# Altium PCB S7CAS-PLEIADES-CARTE-MERE_Pxx.PcbDoc (part 3 of 8) (continued)
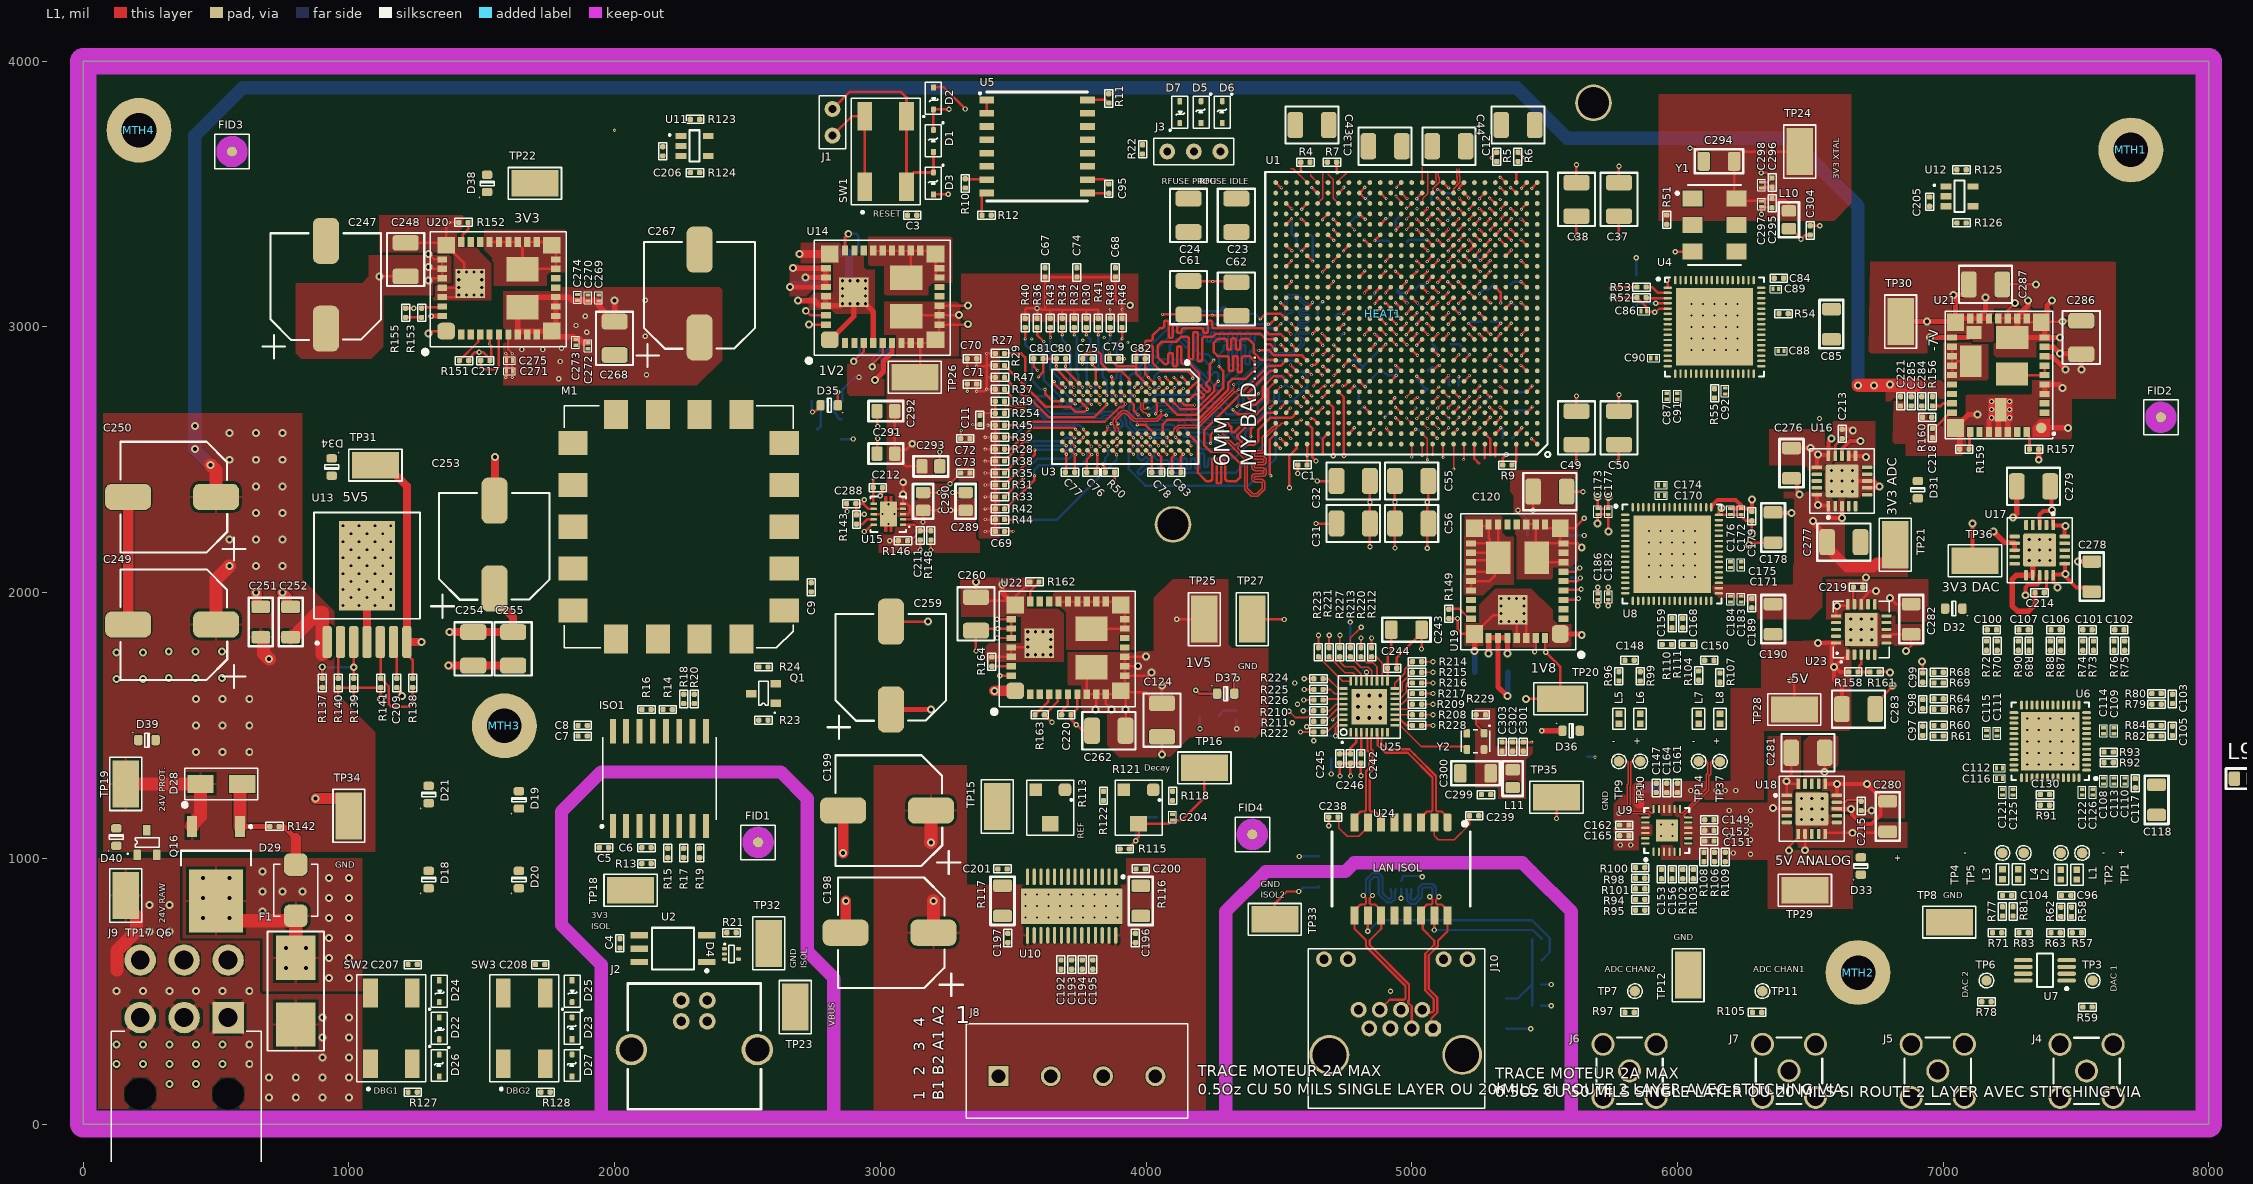
[diagram p0: L1 view]
## Nets (pads, with @x,y where several pads share a name; then routed paths per layer and width w, separated by ;. In a path a pad name is that pad's centre, name@x,y a point inside that pad or via, vN(x,y) a via of type N, cw(c..) or ccw(c..) an arc to the next point about the centre after c; other vN are vias at no path point) (continued)
  L14 w9.39: R242.2@2857.5,2720 2857.5,2764.63 2902.87,2810 v3(2920,2810) ; v1(4860.02,2973.02) 4860.52,2972.52 4866.48,2972.52 C30.2@4881.88,2957.12 4863.28,2938.52 4863.28,2935.74 v1(4862.78,2935.24) v1@4862.28,2934.74 ; v1(4861.61,3088.37) 4862.11,3088.87 4862.11,3090.46 C27.2@4881.88,3110.23 ; v1(4900.64,3090.27) 4901.14,3089.77 4902.73,3089.77 C28.2@4922.5,3070 ; v1(4979.72,3127.74) 4958.76,3127.74 C25.2@4946.5,3140 4946.5,3132.56 4981.98,3097.08 4981.98,3090.46 v1(4982.48,3089.96) ; v1(5019.09,3009.63) 5019.59,3010.13 5019.59,3016.09 C29.2@5039.36,3035.86 ; C26.2@5079.5,2934 5094.29,2919.21 5094.29,2900.11 5100.59,2893.82 v1(5100.59,2893.11)
1V5_DIGITAL: C61.2 C62.2 C63.2 C65.2 C66.2 C76.2 C77.2 C78.2 C79.2 C80.2 C81.2 C82.2 C83.2 C124.2 C262.2 C289.2 C290.2 R146.2 R244.2 TP25.1 U1.D25 U1.F23 U1.H25 U1.J21 U1.K23 U1.M25 U3.A1 U3.A8 U3.B2 U3.C1 U3.C9 U3.D2 U3.D9 U3.E9 U3.F1 U3.G7 U3.H2 U3.H9 U3.K2 U3.K8 U3.N1 U3.N9 U3.R1 U3.R9 U15.2 U22.8 U22.9 U22.10 U22.11 U22.12 U22.13 U22.14 U22.36 U22.38 | length 8244.6
  L1 w9.39: U1.D25@4527.55,2678.52 4543.03,2694 v1(4543.03,2694.71) ; U1.M25@4527.55,2991.66 4545.63,2973.58 v1(4545.63,2973.11) ; U1.F23@4606.29,2755.9 4607.65,2755.9 4623.13,2740.42 v1(4623.84,2740.42) ; U1.J21@4685.03,2874.01 4685.5,2874.01 4703.58,2892.09 v1(4704.04,2892.09)
  L1 w9.44: v3(3035,2195) R146.2@3067.5,2195 ; U15.2@3085.59,2275.51 3120.89,2275.51 3154.95,2309.57 C290.2@3160.95,2309.57 ; v3(3160.95,2265.95) C290.2@3160.95,2309.57 ; v3(3224.57,2309.57) C290.2@3160.95,2309.57 ; v3(3264.57,2309.57) C289.2@3320.95,2309.57 ; v3(3450.12,1687.4) U22.36@3492.83,1687.4 ; v1(3595,2812) 3612.5,2829.5 C81.2@3612.5,2880 C80.2@3662.5,2880 v1(3662.5,2852.5) 3662.99,2852.01 3662.99,2840.93 U3.R1@3716.53,2787.4 ; U3.R9@3716.53,2535.43 3719.23,2532.72 3732.23,2519.73 3735.52,2519.73 v1(3736.01,2519.24) 3736.01,2518.54 3731.5,2514.04 C77.2@3731.5,2452.82 ; U3.R1@3716.53,2785.16 3728.37,2773.32 3728.37,2772.37 v1(3728.86,2771.88) ; C76.2@3776.5,2452.82 3777,2453.32 3777,2501.41 v1@3795.27,2519.68 ; U3.N9@3779.52,2535.43 3779.88,2535.43 3795.64,2519.66 v1(3796,2519.66) ; U3.N1@3779.52,2787.4 3779.52,2786.56 3792.89,2773.2 v1(3792.89,2772.51) ; U22.38@3795,1719.29 3777.28,1701.57 U22.8@3777.28,1617.52 U22.9@3812.72,1617.52 ; v2@3812.72,1562.72 U22.9@3812.72,1617.52 ; v1(3862.5,2903.5) C79.2@3862.5,2880 3890.03,2852.47 3962.5,2852.47 ; v2(3870,1560) 3848.15,1581.85 U22.10@3848.15,1617.52 ; U3.K8@3874.01,2566.92 3876.25,2566.92 3889.6,2580.27 3891.21,2580.27 v1(3891.7,2580.76) ; U3.K2@3874.01,2755.9 3874.01,2753.94 3887.36,2740.58 v1(3887.36,2739.89) ; C262.2@3922.99,1480 3922.99,1612.56 U22.11@3909.92,1625.63 ; U3.H9@3937,2535.43 3937.53,2535.43 3952.22,2520.73 v1(3952.75,2520.73) ; U3.H2@3937,2755.9 3939.7,2753.2 3952.37,2740.53 3955.52,2740.53 v1(3956.01,2740.04) ; v1(3962.5,2917.5) C82.2@3962.5,2880 3962.5,2852.47 ; U3.G7@3968.5,2598.42 v1(3984.24,2582.67) ; v2(3970,1722.83) U22.13@3920,1722.83 ; v2(4000,1760) 3998.27,1758.27 U22.14@3920,1758.27 U22.13@3920,1722.83 ; U3.F1@3999.99,2785.16 4014.5,2770.65 4014.5,2769.89 v1(4014.99,2769.4) ; U3.F1@3999.99,2787.4 3962.5,2824.89 3962.5,2852.47 ; v2(4020,1700) 4007.4,1687.4 U22.12@3920,1687.4 ; U3.E9@4031.49,2535.43 4032.02,2535.43 4046.71,2520.73 v1(4047.24,2520.73) 4047.24,2520.04 4056.5,2510.78 C78.2@4056.5,2452.82 ; v2(4060,1650) C124.2@4060,1582.99 4040.31,1582.99 3997.67,1625.63 U22.11@3909.92,1625.63 ; v1(4062.01,3047.01) C61.2@4160,3047.01 4162.5,3044.51 4337.5,3044.51 C62.2@4340,3042.01 ; U3.D9@4062.98,2535.43 4063.25,2535.43 4078.46,2520.22 v1(4078.73,2520.22) ; U3.D2@4062.98,2755.9 4077.6,2770.51 4079.51,2770.51 v1(4080,2771) ; v1(4073,2811) 4073,2810.31 4094.48,2788.83 U3.C1@4094.48,2787.4 ; U3.C9@4094.48,2535.43 4095.01,2535.43 4109.7,2520.73 v1(4110.23,2520.73) 4110.23,2520.04 4096.5,2506.31 C83.2@4096.5,2452.82 ; v3(4116,1900) TP25.1@4220,1900 ; U3.B2@4125.98,2755.9 4127.21,2755.9 4139.31,2768 v1(4140,2768) ; v1(4135,2812) 4135,2811.31 4157.47,2788.83 U3.A1@4157.47,2787.4 ; U3.A8@4157.47,2566.92 4157.47,2565.09 4169.64,2552.93 v1(4169.64,2552.23) ; U1.H25@4527.55,2834.64 4527.55,2834.05 4546,2815.6 v1(4546,2815) ; U22.9@3812.72,1617.52 U22.10@3848.15,1617.52 ; U22.10@3848.15,1617.52 3892.44,1617.52 3900.55,1625.63 U22.11@3909.92,1625.63 ; U22.11@3909.92,1625.63 U22.11@3905.24,1630.31 3920,1645.08 U22.12@3920,1687.4 ; U22.12@3920,1687.4 U22.13@3920,1722.83
  L9 (PWR) w9.44: v3(3264.57,2309.57) 3343.09,2231.05 3343.09,2223.23 3325.91,2206.05 3325.91,2198.23 3366.14,2158 3505,2158 3638.62,2291.62 3849.54,2291.62 3916.35,2358.43 3916.35,2407.35 3952.75,2443.75 v1(3952.75,2520.73) ; v1(3595,2812) 3622,2812 v1(3662.5,2852.5) 3694.9,2820.1 3707.85,2820.1 3726.75,2839 3763,2839 3799,2803 3799,2779.31 3792.89,2773.2 v1(3792.89,2772.51) ; v1(3962.5,2917.5) 3945,2900 3945,2850.03 3921,2826.03 3921,2775.05 v1(3956.01,2740.04) ; v1(3984.24,2582.67) 3968.79,2567.22 3968.79,2536.78 v1(3952.75,2520.73) ; v1(4073,2811) 4073,2810.31 4080,2803.31 v1(4080,2771) ; v3(4116,1900) 4116,1821 4017.83,1722.83 v2@3983.17,1722.83 ; v1(4140,2768) 4140,2806.31 4135,2811.31 v1(4135,2812) 4112,2835 4055.23,2835 4029.31,2809.07 4029.31,2783.72 v1(4014.99,2769.4) 3985.63,2740.04 v1(3956.01,2740.04) ; v1(4169.64,2552.23) 4139.23,2552.23 4124.98,2537.98 4124.98,2535.48 v1(4110.23,2520.73) v1(4047.24,2520.73) 3998.89,2472.39 ; v3(4341,1488) 4341,1583 4236.6,1687.4 3982.6,1687.4 3982.88,1687.68 3982.88,1722.55 v2@3983.17,1722.83 ; v1(3792.89,2772.51) 3807.51,2772.51 3862.5,2827.5 v1(3862.5,2903.5) 3887.36,2878.64 v1(3887.36,2739.89) 3903.41,2723.85 3903.41,2699.81 3914.22,2689 3925,2689 3955.88,2719.88 3955.88,2739.92 v1(3956.01,2740.04) ; v1(3792.89,2772.51) 3774.91,2790.48 3747.46,2790.48 v1(3728.86,2771.88) 3679.15,2722.17 3679.15,2512.38 3684.68,2506.85 3705.25,2506.85 3717.15,2518.75 3735.52,2518.75 v1(3736.01,2519.24) 3758.24,2497 3773.34,2497 v1(3796,2519.66) 3796.7,2519.66 3810.25,2506.11 3840.11,2506.11 3874.04,2540.04 3874.04,2564.72 3880.72,2571.4 3881.64,2571.4 3891,2580.76 v1(3891.7,2580.76) 3892.21,2580.76 3952.24,2520.73 v1(3952.75,2520.73) ; v1(3952.75,2520.73) 3998.89,2474.59 3998.89,2472.39 ; v2@3983.17,1722.83 3983.17,2456.66 3998.89,2472.39
  L14 w9.44: R244.2@4340,1522.5 4340,1489 v3(4341,1488) ; C63.2@4646.5,3040 4646.5,3076.5 v1(4665,3095)
  other v1: 4250,3044.51
  other v2: 3810,1560 3922.99,1559.87 125,1675 225,1675 321.96,1678.66 421.96,1678.66 521.96,1678.66 125,1775 225,1775 321.96,1778.66 421.96,1778.66 521.96,1778.66
1V8_DIGITAL: C108.2 C109.2 C110.2 C111.2 C112.2 C113.2 C114.2 C115.2 C116.2 C117.2 C118.2 C120.2 C170.2 C171.2 C172.2 C173.2 C174.2 C175.2 C176.2 C177.2 C178.2 C179.2 C258.2 R243.2 TP20.1 U6.1 U6.2 U6.8 U6.29 U6.35 U8.1 U8.38 U8.48 U8.58 U19.8 U19.9 U19.10 U19.11 U19.12 U19.13 U19.14 U19.36 U19.38 | length 1750.1
  L1 w9.39: v2(5430,1600) TP20.1@5560,1600 5560,1720 v3(5505,1775) 5502.05,1777.95 U19.36@5502.05,1829.69 ; U19.14@5431.18,2256.85 U19.13@5466.61,2256.85 5466.61,2135.39 U19.38@5470.16,2131.85 ; v3(5456.65,2310) 5457.01,2310.36 C120.2@5457.01,2380 ; U19.12@5502.05,2256.85 5502.05,2249.96 5509.92,2242.09 U19.11@5559.13,2242.09 ; U19.8@5571.93,2114.13 5487.87,2114.13 U19.38@5470.16,2131.85 ; v2(5640,2170) 5625,2185 U19.10@5571.93,2185 U19.10@5566.25,2185 ; v3(5650,2280) 5612.09,2242.09 U19.11@5559.13,2242.09 ; v2(5700,2260) C173.2@5700,2294 C177.2@5740,2294 v2(5740,2230) ; v2(6165.8,2318.77) 6156.18,2309.15 U8.48@6156.18,2292.64 C176.2@6200,2292.64 ; C176.2@6200,2294 6203,2294 6204.36,2292.64 6235.64,2292.64 6258.28,2270 C178.2@6280,2270 v2(6280,2220) ; v2(6270,2180) 6278,2188 C179.2@6360,2188 ; U19.38@5470.16,2131.85 5470.16,2143.43 5511.72,2185 U19.10@5566.25,2185 ; U19.11@5559.13,2242.09 5559.13,2192.12 U19.10@5566.25,2185
  L14 w9.39: v3(5400,2310) 5437.01,2272.99 C258.2@5437.01,2215 ; R243.2@5660,1382.5 5687.5,1382.5 v1(5690,1380)
3V3_DIGITAL: C4.2 C7.2 C8.2 C9.2 C10.2 C12.2 C13.2 C15.2 C16.2 C18.2 C19.2 C20.2 C21.2 C22.2 C31.2 C32.2 C33.2 C34.2 C35.2 C36.2 C37.2 C38.2 C39.2 C40.2 C41.2 C42.2 C43.2 C44.2 C45.2 C47.2 C48.2 C49.2 C50.2 C51.2 C53.2 C54.2 C55.2 C56.2 C57.2 C59.2 C60.2 C85.2 C86.2 C87.2 C88.2 C89.2 C90.2 C91.2 C92.2 C95.2 C205.2 C206.2 C241.2 C242.2 C243.2 C244.2 C267.1 C268.2 C269.2 C270.2 C271.2 C272.2 C273.2 C274.2 C275.2 C288.2 C299.2 C304.2 D1.1 D2.1 D5.1 D6.1 D12.1 D13.1 D14.1 D15.1 D18.A D19.A D20.A D21.A D22.1 D23.1 D24.1 D25.1 D31.A D32.A D33.A D34.A D35.A D36.A D37.A D38.A D39.A D40.A ISO1.14 ISO1.16 J3.1 L10.2 L11.2 M1.2 M1.8 M1.15 Q1.3 R4.2 R5.2 R6.2 R7.1 R9.1 R10.2 R11.2 R14.1 R16.1 R23.2 R25.2 R26.2 R52.2 R55.2 R112.1 R118.1 R123.2 R124.2 R125.2 R126.2 R127.2 R128.2 R143.1 R205.2 R206.2 R207.2 R218.2 R245.2 TP22.1 U1.AA6 U1.AA10 U1.AA16 U1.AA21 U1.AB14 U1.AB23 U1.AC6 U1.AC10 U1.AC18 U1.AC21 U1.AD2 U1.AD25 U1.AE8 U1.AE12 U1.AE16 U1.AE20 U1.B3 U1.B7 U1.B11 U1.B15 U1.B19 U1.C22 U1.D2 U1.D9 U1.D17 U1.E13 U1.F4 U1.F6 U1.F21 U1.G10 U1.G12 U1.G15 U1.G18 U1.H2 U1.H14 U1.J6 U1.J9 U1.J18 U1.K4 U1.K13 U1.L5 U1.L22 U1.M2 U1.M7 U1.M17 U1.M20 U1.N10 U1.P4 U1.P9 U1.P23 U1.T2 U1.T7 U1.T25 U1.U6 U1.U14 U1.U18 U1.V9 U1.V21 U1.W4 U1.W6 U1.W23 U1.Y2 U1.Y12 U1.Y17 U1.Y19 U1.Y25 U2.6 U4.1 U4.5 U4.8 U4.11 U4.15 U4.18 U4.21 U4.26 U4.29 U4.32 U4.34 U4.35 U4.39 U4.42 U4.44 U4.47 U5.1 U5.2 U5.9 U10.10 U11.3 U12.3 U15.7 U15.10 U20.8 U20.9 U20.10 U20.11 U20.12 U20.13 U20.14 U20.36 U20.38 U25.3 U25.17 | length 6920.7
  L1 w9.39: v3(2839.81,2755) 2839.89,2754.91 2839.89,2705.09 D35.A@2839.98,2705 ; v3(2940,2230) 2942.45,2230 2968.27,2255.83 U15.10@2975.36,2255.83 ; v3(2940,2295) 2938.85,2293.85 2911.43,2293.85 2910.28,2295 2909.23,2293.95 2909.23,2333.95 2910.28,2335 2935,2335 ; v3(2940,2350) 2935,2345 2935,2335 ; U15.7@2975.33,2314.91 2955.09,2314.91 2935,2335 ; D1.1@3200,3741.34 D2.1@3200,3818.66 v3(3258.34,3818.66) ; U5.2@3400,3804 U5.1@3400,3854 ; U5.9@3780,3504 3780.75,3503.25 3859.25,3503.25 C95.2@3860,3502.5 ; v3(4187,1633) 4200,1620 D37.A@4267.52,1620 ; U1.T25@4527.55,3149.6 4547.32,3169.37 4547.32,3170.96 v1(4547.82,3171.46) ; U1.Y25@4527.55,3307.08 4547.32,3287.31 4548.91,3287.31 v1(4549.41,3286.81) ; U1.AD25@4527.55,3464.56 4547.32,3444.79 4548.91,3444.79 v1(4549.41,3444.29) ; R4.2@4582.5,3620 4582.5,3588.21 4585,3585.71 v1(4585,3585) ; v1(4584.43,3406.09) 4584.93,3405.59 4586.52,3405.59 U1.AB23@4606.29,3385.82 ; U1.P23@4606.29,3070.86 4626.06,3090.63 4626.06,3092.22 v1(4626.56,3092.72) ; U1.W23@4606.29,3267.71 4626.06,3247.94 4627.65,3247.94 v1(4628.15,3247.44) ; v1(4620.61,2655.61) 4621.11,2655.11 4628.34,2655.11 U1.C22@4645.66,2637.79 ; U1.L22@4645.66,2952.75 4664.5,2933.91 4664.5,2930.5 v1(4665,2930) ; v1(4662,2734) 4662.5,2734.5 4663.63,2734.5 U1.F21@4685.03,2755.9 ; v1(4664.76,3206.48) 4665.26,3206.98 4665.26,3208.57 U1.V21@4685.03,3228.34 ; v1(4664.76,3403.33) 4665.26,3403.83 4665.26,3405.42 U1.AC21@4685.03,3425.19 ; U1.AA21@4685.03,3346.45 4704.8,3326.68 4706.39,3326.68 v1(4706.89,3326.18) ; R7.1@4717.5,3620 4717.5,3583.21 4720,3580.71 v1(4720,3580) ; U1.M20@4724.4,2992.12 4741.78,3009.5 4744.5,3009.5 v1(4745,3010) ; U1.AE20@4724.4,3503.93 4744.17,3523.7 4744.17,3525.29 v1(4744.67,3525.79) ; v1(4743.5,3285.22) 4744,3285.72 4744,3287.31 U1.Y19@4763.77,3307.08 ; U1.B19@4763.77,2598.42 4783.54,2618.19 4783.54,2619.78 v1(4784.04,2620.28) ; v1(4785,2895) 4785.5,2894.5 4785.5,2891.65 U1.J18@4803.14,2874.01 ; U1.G18@4803.14,2795.27 4822.91,2775.5 4824.5,2775.5 v1(4825,2775) ; U1.U18@4803.14,3188.97 4822.91,3208.74 4822.91,3210.33 v1(4823.41,3210.83) ; U1.AC18@4803.14,3425.19 4822.91,3405.42 4824.5,3405.42 v1(4825,3404.92) ; C242.2@4809.05,1393.01 4810.47,1394.43 U25.3@4810.47,1473.86 ; v1(4820.65,3327.35) 4821.15,3326.85 4822.74,3326.85 U1.Y17@4842.51,3307.08 ; v1(4822,2699) 4822.5,2698.5 4822.5,2697.17 U1.D17@4842.51,2677.16 ; v1(4822.24,2970.26) 4822.74,2970.76 4822.74,2972.35 U1.M17@4842.51,2992.12 ; v3(4842.99,2172.01) C31.2@4842.99,2260 v3(4842.99,2340) C32.2@4842.99,2420 ; v1(4861.61,3324.59) 4862.11,3325.09 4862.11,3326.68 U1.AA16@4881.88,3346.45 ; U1.AE16@4881.88,3503.93 4901.65,3484.16 4903.24,3484.16 v1(4903.74,3483.66) ; v1(4905,2620) 4905.5,2619.5 4905.5,2615.11 4921.25,2599.36 U1.B15@4921.25,2598.42 ; U25.17@4908.9,1666.77 4908.97,1666.85 C244.2@4908.97,1716.14 ; C244.2@4909.05,1715.51 4909.05,1766.05 4923,1780 C243.2@4923,1860 ; U1.G15@4921.25,2795.27 4941.02,2815.04 4941.02,2816.63 v1(4941.52,2817.13) ; v3(4937.01,2167.99) C56.2@4937.01,2260 v3(4937.01,2340) C55.2@4937.01,2420 ; v1(4938.76,2854.91) 4939.26,2854.41 4940.85,2854.41 U1.H14@4960.62,2834.64 ; v1(4938.76,3209.24) 4939.26,3208.74 4940.85,3208.74 U1.U14@4960.62,3188.97 ; v1(4940.35,3363.96) 4940.85,3364.46 4940.85,3366.05 U1.AB14@4960.62,3385.82 ; U1.E13@4999.99,2716.53 5017.46,2734 5021.5,2734 v1(5022,2734.5) ; U1.K13@4999.99,2913.38 5019.76,2893.61 5021.35,2893.61 v1(5021.85,2893.11) ; v1(5019,2814) 5019.71,2814 5036.18,2797.53 5036.18,2795.66 U1.G12@5035.51,2795 ; v1(5019.09,3482.07) 5019.59,3482.57 5019.59,3484.16 U1.AE12@5039.36,3503.93 ; U1.Y12@5039.36,3307.08 5059.13,3287.31 5060.72,3287.31 v1(5061.22,3286.81) ; U1.B11@5078.73,2598.42 5078.73,2598.34 5096,2581.08 v1(5096,2581) ; v1@5096.24,3445.46 5096.74,3444.96 5098.33,3444.96 U1.AC10@5118.1,3425.19 ; U1.G10@5118.1,2795.27 5137.87,2815.04 5137.87,2816.63 v1(5138.37,2817.13) ; U1.N10@5118.1,3031.49 5137.87,3051.26 5137.87,3052.85 v1(5138.37,3053.35) ; U1.AA10@5118.1,3346.45 5137.87,3366.22 5137.87,3367.81 v1(5138.37,3368.31) ; v1(5137.2,3206.48) 5137.7,3206.98 5137.7,3208.57 U1.V9@5157.47,3228.34 ; U1.D9@5157.47,2677.16 5177.24,2696.93 5177.24,2698.52 v1(5177.74,2699.02) ; U1.J9@5157.47,2874.01 5177.24,2893.78 5177.24,2895.37 v1(5177.74,2895.87) ; U1.P9@5157.47,3070.86 5177.24,3051.09 5178.83,3051.09 v1(5179.33,3050.59) ; U1.AE8@5196.84,3503.93 5196.84,3503.55 5215,3485.39 v1(5215,3485) ; v1(5214.35,3012.39) 5214.85,3011.89 5216.44,3011.89 U1.M7@5236.21,2992.12 ; U1.B7@5236.21,2598.42 5255.98,2618.19 5255.98,2619.78 v1(5256.48,2620.28) ; U1.T7@5236.21,3149.6 5255.98,3169.37 5255.98,3170.96 v1(5256.48,3171.46) ; v1(5253.72,3366.72) 5254.22,3366.22 5255.81,3366.22 U1.AA6@5275.58,3346.45 ; v1(5253.72,3445.46) 5254.22,3444.96 5255.81,3444.96 U1.AC6@5275.58,3425.19 ; v1(5258.29,3250) 5258.29,3250.21 5275.58,3267.5 U1.W6@5275.58,3267.71 5295.35,3287.48 5295.35,3289.07 v1(5295.85,3289.57) ; U1.F6@5275.58,2755.9 5295.35,2736.13 5296.94,2736.13 v1(5297.44,2735.63) ; U1.J6@5275.58,2874.01 5295.35,2893.78 5295.35,2895.37 v1(5295.85,2895.87) ; U1.U6@5275.58,3188.97 5295.35,3208.74 5295.35,3210.33 v1(5295.85,3210.83) ; v1(5299.73,3635.64) 5300.23,3636.14 5300.23,3637.73 R5.2@5320,3657.5 ; U1.L5@5314.95,2952.75 5334.72,2972.52 5334.72,2974.11 v1(5335.22,2974.61) ; v1(5332.46,2776.17) 5332.96,2775.67 5334.55,2775.67 U1.F4@5354.32,2755.9 ; R9.1@5342.5,2480 5342.5,2504.08 5355.97,2517.55 v3(5355.97,2519.68) ; U1.K4@5354.32,2913.38 5374.09,2893.61 5375.68,2893.61 v1(5376.18,2893.11) ; U1.P4@5354.32,3070.86 5374.09,3090.63 5374.09,3092.22 v1(5374.59,3092.72) ; U1.W4@5354.32,3267.71 5374.09,3287.48 5374.09,3289.07 v1(5374.59,3289.57) ; U1.B3@5393.69,2598.42 5413.46,2618.19 5413.46,2619.78 v1(5413.96,2620.28) ; R6.2@5400,3657.5 5419.77,3637.73 5421.36,3637.73 v1(5421.86,3637.23) ; v1(5411.2,2854.91) 5411.7,2854.41 5413.29,2854.41 U1.H2@5433.06,2834.64 ; v1(5411.2,3169.87) 5411.7,3169.37 5413.29,3169.37 U1.T2@5433.06,3149.6 ; v1(5411.2,3327.35) 5411.7,3326.85 5413.29,3326.85 U1.Y2@5433.06,3307.08 ; v1(5412.79,2970.26) 5413.29,2970.76 5413.29,2972.35 U1.M2@5433.06,2992.12 ; v1(5412.79,3442.7) 5413.29,3443.2 5413.29,3444.79 U1.AD2@5433.06,3464.56 ; U1.D2@5433.06,2677.16 5452.83,2696.93 5452.83,2698.52 v1(5453.33,2699.02) ; C49.2@5620,2682.99 v3(5620,2740) ; v3(5620,3340) C38.2@5620,3417.01 ; v3(5755,3110) R52.2@5847.5,3110 5883.38,3074.12 5883.38,3059.64 5885.99,3057.03 5912.97,3057.03 v3(5915,3055) 5917.87,3055 5931.77,3068.9 U4.5@5963.5,3068.9 ; C50.2@5780,2682.99 v3(5780,2745) ; v3(5780,3340) C37.2@5780,3417.01 ; v3(5960,3175) 5963.5,3171.5 U4.1@5963.5,3147.64 ; L10.2@6419.69,3369.81 6425.44,3369.81 6465,3330.25 v3(6465,3330) 6480.81,3345.81 C304.2@6499.69,3345.81
  L1 w10: v1(1590,2810) 1590,2810.54 1593.48,2814.02 C275.2@1593.48,2873.17 1593.48,2895.98 1590,2899.46 v1(1590,2900)
  L1 w20: v3(1310,3040) 1311.28,3041.28 U20.36@1351.31,3041.28 ; U20.8@1635.76,2971.39 U20.8@1635.76,2978.28 ; C272.2@1900,2940 1883.32,2940 1870.16,2953.17 C273.2@1853.48,2953.17 1843.95,2962.69 1785.21,2962.69 U20.11@1763.71,2984.19 ; v2(2000,3100) C268.2@2000,3020 1981.3,3020 1961.91,3039.39 1961.91,3058.09 1940,3080 C269.2@1940,3098 1938,3100 C274.2@1860,3100 1839.32,3100 1827.18,3112.14 U20.14@1778.48,3112.14 ; v3(5490,1480) D36.A@5567.52,1480 ; U20.8@1635.76,2978.28 1635.76,3055.45 U20.38@1653.48,3073.17 1668.24,3073.17 1707.22,3112.14 U20.14@1778.48,3112.14 ; U20.8@1635.76,2978.28 1637.57,2980.09 1644.46,2980.09 1648.56,2984.19 U20.11@1763.71,2984.19 ; U20.11@1763.71,2984.19 1778.48,2998.95 U20.12@1778.48,3041.28 U20.13@1778.48,3076.71 U20.14@1778.48,3112.14
  L14 w9.39: R25.2@4527.55,3149.6 4547.32,3169.37 4547.32,3170.96 v1(4547.82,3171.46) ; v3(4591.51,1555.51) R218.2@4631.55,1555.51 ; C15.2@4620.1,3346.45 4627.65,3338.91 4627.65,3247.94 v1(4628.15,3247.44) ; v3(4631.55,1442.55) R205.2@4631.55,1475.51 ; v1(4664.76,3206.48) 4665.26,3206.98 4665.26,3208.57 R26.2@4685.03,3228.34 ; C16.2@4717.5,3487 4717.5,3494.76 4744.17,3521.44 4744.17,3525.29 v1(4744.67,3525.79) ; C22.2@4759.4,3385.82 4788.12,3414.54 4815.38,3414.54 v1(4825,3404.92) ; R207.2@4769.05,1793.01 v3(4769.05,1889.05) ; C60.2@4800,2682.5 4816,2698.5 4821.5,2698.5 v1(4822,2699) ; v1(4825,2775) 4825.5,2775.5 4825.5,2781 4883.5,2839 C57.2@4883.5,2840.76 ; v1(4861.61,3324.59) 4911.91,3324.59 C45.2@4916.5,3320 ; C57.2@4883.5,2845 C57.2@4883.5,2840.76 ; v1(4900,2660) 4900,2660.28 C59.2@4921.25,2681.53 ; v1(4938.76,2854.91) 4938.76,2854.2 4941.52,2851.44 v1(4941.52,2817.13) 4911.37,2817.13 4904.29,2824.21 4900.06,2824.21 C57.2@4883.5,2840.76 ; v1(4940.35,3363.96) 4940.35,3402.85 C20.2@4957.5,3420 ; v1(5019,2814) 5019.5,2813.5 5019.5,2801 5054,2766.5 C33.2@5059.06,2766.5 ; v1(5019.09,3482.07) 5019.59,3481.57 5022.35,3481.57 C47.2@5039.36,3464.56 ; v1(5022,2734.5) 5022.5,2734 5024.79,2734 5041.79,2717 C35.2@5042.5,2717 C35.2@5045.62,2720.12 ; C33.2@5045.62,2753.07 C33.2@5059.06,2766.5 ; C33.2@5060,2766.5 C33.2@5059.06,2766.5 ; C36.2@5074.5,2599 5075.21,2599 5092.71,2581.5 5095.5,2581.5 v1(5096,2581) ; v1(5098.14,3445.27) 5098.64,3444.77 5100.23,3444.77 C48.2@5120,3425 ; v1(5138.37,2817.13) 5138.87,2816.63 5138.87,2783.63 C34.2@5142.5,2780 ; v1(5179.33,3050.59) 5179.83,3051.09 5179.83,3057.51 5196.84,3074.52 C19.2@5196.84,3075.23 ; v1(5214.35,3012.39) 5215.06,3012.39 5222.67,3020 C40.2@5262.5,3020 ; C18.2@5236.21,3272.08 v1(5258.29,3250) ; C53.2@5272.5,2715 5292.63,2735.13 5296.94,2735.13 v1(5297.44,2735.63) ; C39.2@5373.5,3160 5383.37,3169.87 v1(5411.2,3169.87) ; v1(5374.59,3092.72) 5375.09,3092.22 5376.7,3092.22 C41.2@5398.06,3070.86 ; C54.2@5377.5,2580 5413.46,2615.96 5413.46,2619.78 v1(5413.96,2620.28) ; C51.2@5380,2686.5 5440.11,2686.5 5452.63,2699.02 v1(5453.33,2699.02)
  other v3: 1790,2805 2120,2820 1795,2870 1650,2915 1730,2915 1800,2920 2115,2965 1895,2980 1855,3005 1890,3040 2115,3100
3v3_ISOL: C6.2 ISO1.3 R13.2 R15.2 TP18.1
3V3_XTAL_25MHz: C300.2 C301.2 C302.2 C303.2 L11.1 R229.2 Y2.4
3V3_XTAL_125MHz: C294.2 C295.2 C296.2 C297.2 C298.2 L10.1 R51.2 TP24.1 Y1.6 | length 735.8
  L1 w9.39: C298.2@6316.27,3523.09 6319.27,3523.09 6321.77,3525.59 C296.2@6356.27,3525.59 C295.2@6356.27,3483.09 ; L10.1@6419.69,3436.81 6418.11,3438.38 6418.11,3466.89 6406.41,3478.59 6360.77,3478.59 C295.2@6356.27,3483.09 ; TP24.1@6460,3660 6239.97,3660 6213.27,3633.31 C294.2@6213.27,3623.09 6213.27,3492.4 Y1.6@6222.36,3483.31 6231.58,3474.09 C297.2@6316.27,3474.09 6319.27,3474.09 6328.27,3483.09 C295.2@6356.27,3483.09
3V3A_ADC: C182.2 C183.2 C184.2 C186.2 C187.2 C188.2 C189.2 C190.2 C277.2 R238.2 TP21.1 U8.16 U8.33 U8.34 U16.1 U16.3 U16.20 | length 733.7
  L1 w9.39: C186.2@5700,1996 v3(5700,2020) ; C182.2@5740,1996 v3(5740,2020)
  L1 w15: U16.20@6524.88,2368.82 6524.88,2335.12 6532.24,2327.76 6567.58,2327.76 6568.19,2327.15 U16.1@6568.19,2325.51 6568.19,2291.81 6580,2280 v2(6620,2280) 6619.37,2280.63 U16.3@6619.37,2325.51
  L1 w20: v2(6510,2270) 6510,2263.07 6563.39,2209.69 C277.2@6563.39,2190
  L1 w40: C277.2@6563.39,2190 6563.39,2170.31 6638.7,2095 6735,2095 6751.42,2111.42 6790.2,2111.42 6820,2141.22 TP21.1@6820,2180
  other v2: 6530,2330
3V3A_DAC: C121.2 C122.2 C123.2 C125.2 C126.2 C127.2 C128.2 C129.2 C279.2 R239.2 TP36.1 U6.37 U6.40 U6.45 U6.48 U17.1 U17.3 U17.20 | length 474.9
  L1 w15: v2(7110,2260) 7110,2130 TP36.1@7120,2120 ; U17.3@7363.31,2254.49 7363.31,2293.31 7377.13,2307.13 7407.13,2307.13 v2(7410,2310) ; C279.2@7402.99,2400 7407.13,2395.86 7407.13,2312.87 v2(7410,2310) ; U17.20@7457.8,2211.18 7457.8,2247.8 v2(7460,2250) 7457.76,2252.24 7415.1,2252.24 7414.49,2252.85 U17.1@7414.49,2254.49 7414.49,2305.51 v2(7410,2310)
5V5: C247.1 C248.2 C253.1 C254.2 C255.2 C256.2 C259.1 C260.2 C264.2 C276.2 C278.2 C280.2 R138.1 R241.2 TP31.1 U13.7 U14.30 U14.31 U14.32 U16.13 U16.15 U16.16 U17.13 U17.15 U17.16 U18.13 U18.15 U18.16 U19.30 U19.31 U19.32 U20.30 U20.31 U20.32 U22.30 U22.31 U22.32 | length 13849.4
  L1 w9.39: v2@1105.17,3190.17 v2(1115.17,3190.17) C248.2@1213.48,3190.17 ; U13.7@1218.03,1813.9 1218.03,1768.98 1240,1747.02 R138.1@1240,1677.5 ; v2(1300,3175) 1308.01,3183.01 U20.32@1351.31,3183.01 U20.31@1351.31,3218.44 ; v2(1300,3225) 1306.56,3218.44 U20.31@1351.31,3218.44 ; v2(1300,3275) 1321.13,3253.87 U20.30@1351.31,3253.87 U20.31@1351.31,3218.44 ; v3(3360,1780) C260.2@3360,1857.01 3367.56,1864.57 v3(3441.95,1864.57) U22.31@3492.83,1864.57 ; v3(3439,1900) U22.30@3492.83,1900 U22.31@3492.83,1864.57 ; v3(3440.13,1829.13) U22.32@3492.83,1829.13 U22.31@3492.83,1864.57
  L1 w15: C276.2@6429.37,2544 6504,2544 6528,2520 v2(6530,2520) 6530,2515.94 6524.88,2510.82 U16.16@6524.88,2471.18 ; v2@6532.76,2517.24 6567.58,2517.24 6567.58,2520 U16.15@6568.19,2519.39 ; U18.16@6557.09,1280.39 6557.28,1280.2 6599.8,1280.2 v2(6600,1280) ; U16.15@6568.19,2514.49 U16.15@6568.19,2519.39 ; v2(6580,2580) 6568.19,2568.19 U16.15@6568.19,2519.39 ; U18.13@6600.39,1185.9 v2(6654.1,1185.9) 6656.97,1183.03 6656.97,1163.03 6690,1130 6730,1130 6763.72,1163.72 6763.72,1198.12 6779.68,1214.09 C280.2@6791.42,1214.09 6779.42,1214.09 v2(6713.5,1280) v2(6600,1280) ; U18.15@6600.39,1237.09 6600.39,1279.61 v2(6600,1280) ; U16.13@6619.37,2514.49 6619.98,2515.1 6619.98,2539.98 6650,2570 v2(6690,2570) ; v2(7310,1990) 7310,2020 7320,2030 7354.52,2030 7363.31,2038.79 U17.13@7363.31,2065.51 ; v2(7430,2020) 7430,2024.06 7415.1,2038.96 7415.1,2064.9 U17.15@7414.49,2065.51 7414.49,2067.15 7415.1,2067.76 7457.76,2067.76 v2(7460,2070) ; U17.16@7457.8,2108.82 7458.29,2108.82 7458.9,2108.21 7458.9,2071.1 v2(7460,2070) ; C278.2@7559.69,2003 7544.37,2018.31 7501.69,2018.31 7460,2060 v2(7460,2070)
  L1 w20: v2(2660,3150) 2660.32,3150.32 U14.32@2795.24,3150.32 U14.31@2795.24,3185.75 ; v2(2671.19,3221.19) U14.30@2795.24,3221.19 U14.31@2795.24,3185.75 ; v2(2718.39,3185.75) U14.31@2795.24,3185.75 ; C259.1@3040,1560 v2(3190,1560) ; v2(5289.45,1771.34) U19.30@5289.45,1829.69 U19.31@5324.88,1829.69 ; v2(5360,1610) 5324.88,1645.12 U19.31@5324.88,1829.69 ; v2(5360,1770) 5360.31,1770.31 U19.32@5360.31,1829.69 U19.31@5324.88,1829.69
  L1 w30: TP31.1@1100,2480 1138.78,2480 1218.03,2400.75 U13.7@1218.03,1813.9 v2(1273.9,1813.9) ; v2(1378.5,1851.5) C254.2@1468.03,1851.5 C255.2@1618.03,1851.5 1617.86,1851.68 1617.86,1908.45 1548.03,1978.28 C253.1@1548.03,2015.5
  L7 (PWR) w9.39: v2@1105.17,3190.17 1105.17,3794.67 1110.67,3800.17 1790.17,3800.17 1847.69,3857.69 3514.16,3857.69 ; v3(3360,1780) 3382.69,1802.69 3382.69,2132.69 3422.5,2172.5 3422.5,3692.5 3514.16,3784.16 3514.16,3857.69 ; v3(6535,2655) 6535,2802.71 6233.65,3104.06 6233.65,3791.35 6167.31,3857.69 3514.16,3857.69
  L14 w20: v2(5360,1610) 5361.5,1611.5 5361.5,1698.5 C256.2@5362.99,1700
  L14 w30: v2(2660,3150) 2667.01,3157.01 C264.2@2780,3157.01
  other v2: 6500.29,2544
5V_A: C133.2 C136.2 C137.2 C138.2 C151.2 C152.2 C153.2 C156.2 C157.2 C158.2 C281.2 R240.2 TP29.1 U7.8 U9.3 U9.4 U9.9 U9.10 U9.14 U9.20 U18.1 U18.3 U18.20 | length 270
  L1 w10: v2(6360,1190) 6364.1,1185.9 U18.3@6411.42,1185.9 ; U18.1@6411.42,1237.09 6411.42,1288.58 v2(6410,1290) ; C281.2@6428.42,1397.09 6428.42,1313.84 6410,1295.41 v2(6410,1290) ; U18.20@6454.72,1280.39 6425.02,1280.39 6415.41,1290 v2(6410,1290)
  other v3: 6275,1015 6210,1020 6275,1070 6195,1085 6275,1125 6195,1180 6275,1180